# Altium PCB communicationboard.PcbDoc (continued)
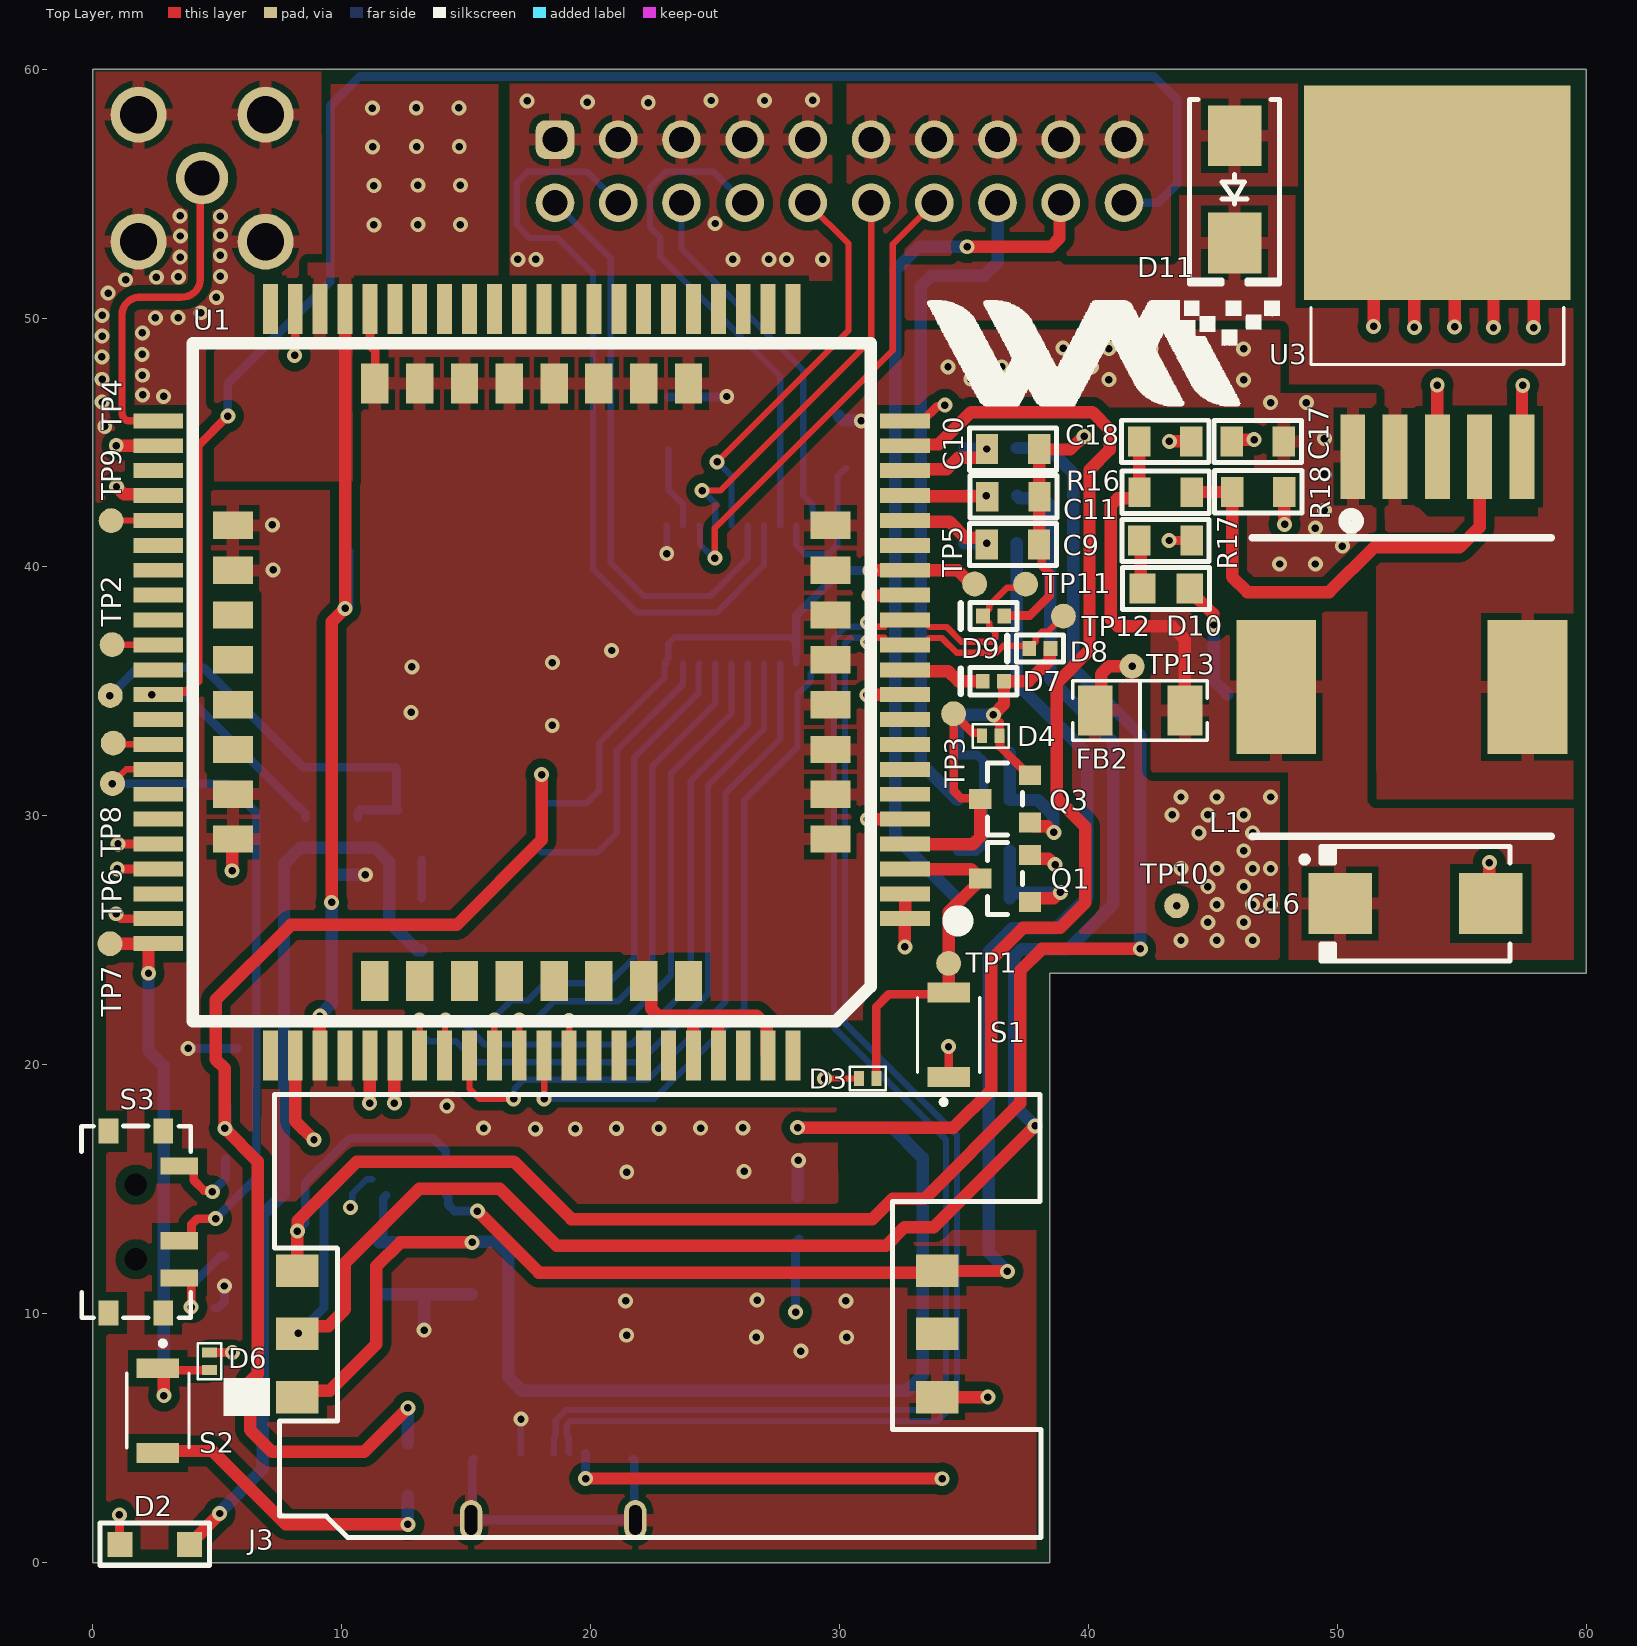
[diagram p0: Top Layer view]
## Footprints (in the part's own frame and the unit in brackets; to place one, negate y for a bottom-side part, rotate by r counter-clockwise, add the part's x,y. Pads: shape width x height; smd on the part's side, far side on the other; paste and mask are expansions set on the pad)
12-21SURC/S530-A3/TR8 [mm]
  rect 1x1 smd: 1(-1.4,0) 2(1.4,0)
  silkscreen extent -2.2,-0.85 2.2,0.85, body extent -1.63,-0.9 1.63,0, height 1.66
A7600E [mm]
  rect 2x0.6 smd: 1(-15,9.5) 2(-15,8.5) 3(-15,7.5) 4(-15,6.5) 5(-15,5.5) 6(-15,4.5) 7(-15,3.5) 8(-15,2.5) 9(-15,1.5) 10(-15,0.5) 11(-15,-0.5) 12(-15,-1.5) 13(-15,-2.5) 14(-15,-3.5) 15(-15,-4.5) 16(-15,-5.5) 17(-15,-6.5) 18(-15,-7.5) 19(-15,-8.5) 20(-15,-9.5) 41(15,-9.5) 42(15,-8.5) 43(15,-7.5) 44(15,-6.5) 45(15,-5.5) 46(15,-4.5) 47(15,-3.5) 48(15,-2.5) 49(15,-1.5) 50(15,-0.5) 51(15,0.5) 52(15,1.5) 53(15,2.5) 54(15,3.5) 55(15,4.5) 56(15,5.5) 57(15,6.5) 58(15,7.5) 59(15,8.5) 60(15,9.5) 81(-15,-10.5) 82(15,-10.5) 85(15,10.5)
  rect 0.6x2 smd: 21(-9.5,-15) 22(-8.5,-15) 23(-7.5,-15) 24(-6.5,-15) 25(-5.5,-15) 26(-4.5,-15) 27(-3.5,-15) 28(-2.5,-15) 29(-1.5,-15) 30(-0.5,-15) 31(0.5,-15) 32(1.5,-15) 33(2.5,-15) 34(3.5,-15) 35(4.5,-15) 36(5.5,-15) 37(6.5,-15) 38(7.5,-15) 39(8.5,-15) 40(9.5,-15) 61(9.5,15) 62(8.5,15) 63(7.5,15) 64(6.5,15) 65(5.5,15) 66(4.5,15) 67(3.5,15) 68(2.5,15) 69(1.5,15) 70(0.5,15) 71(-0.5,15) 72(-1.5,15) 73(-2.5,15) 74(-3.5,15) 75(-4.5,15) 76(-5.5,15) 77(-6.5,15) 78(-7.5,15) 79(-8.5,15) 80(-9.5,15) 83(10.5,-15) 84(-10.5,-15) 86(-10.5,15) 87(10.5,15)
  rect 1.6x1.1 smd: 88(-12,6.3) 89(-12,4.5) 90(-12,2.7) 91(-12,0.9) 92(-12,-0.9) 93(-12,-2.7) 94(-12,-4.5) 95(-12,-6.3) 104(12,-6.3) 105(12,-4.5) 106(12,-2.7) 107(12,-0.9) 108(12,0.9) 109(12,2.7) 110(12,4.5) 111(12,6.3)
  rect 1.1x1.6 smd: 96(-6.3,-12) 97(-4.5,-12) 98(-2.7,-12) 99(-0.9,-12) 100(0.9,-12) 101(2.7,-12) 102(4.5,-12) 103(6.3,-12) 112(6.3,12) 113(4.5,12) 114(2.7,12) 115(0.9,12) 116(-0.9,12) 117(-2.7,12) 118(-4.5,12) 119(-6.3,12)
  silkscreen extent -17.24,-13.62 13.62,13.62, body extent -15,-15 15,15, height 3.1
C0805 [mm]
  rect 0.9x1.2 smd: 1(-1.05,0) 2(1.05,0)
  silkscreen extent -1.75,-0.85 1.75,0.85, body extent -1,-0.65 1,0.66, height 0.74
C70710M0065122A [mm]
  rect 1.7x1.3 smd: C1(-12.838,-2.54) C2(-12.838,0) C3(-12.838,2.54) C5(12.863,-2.54) C6(12.863,0) C7(12.863,2.54)
  silkscreen extent -15.81,-8.18 17.04,9.61, body extent -13.52,-7.9 16.79,9.35, height 2.54
"CAP POL 2917_7343" [mm] "Molded Capacitor, 2-Leads, Body 7.30x4.30mm, IPC Medium Density"
  rect 2.55x2.45 smd: 1(-3.025,0) 2(3.025,0)
  silkscreen extent -4.57,-2.3 3.8,2.3, body extent -3.65,-2.15 3.65,2.15, height 4.1
CDRH127/LDNP-101MC [mm]
  rect 3.2x5.4 smd: 1(-5.05,0) 2(5.05,0)
  silkscreen extent -6,-6 6,6, body extent -6,-6 6,6, height 5.92
"DO214AA SMB" [mm] "Molded Diode, 2-Leads, Body 4.31x3.62mm, IPC Medium Density"
  rect 2.45x2.15 smd: 1(-2.15,0) 2(2.15,0)
  silkscreen extent -3.6,-1.8 3.8,1.8, body extent -2.6,-1.8 2.6,1.8, height 2.4
ESD73011N [mm]
  rect 0.55x0.6 smd: 1(0,0) 2(0.85,0)
  silkscreen extent -0.89,-0.55 1.37,0.55, body extent -0.38,-0.41 1.23,0.41, height 0.45
"FCI USB 10118193-0001LF" [mm] "USB 2.0 Type B Micro"
  oval 0.4x1.35 smd: 1(1.3,-2.625) 2(0.65,-2.625) 3(0,-2.625) 4(-0.65,-2.625) 5(-1.3,-2.625)
  oval 0.9x1.6 hole 0.5 slot 1.2 at 90 deg: S(-3.3,0.05) S(3.3,0.05)
  rrect50% 1.6x1.4 smd: S(-3.2,-2.4) S(3.2,-2.4)
  rect 1.9x1.8 smd: S(-1.2,0.05) S(1.2,0.05)
  silkscreen extent -3.7,-2.8 3.7,2.8, body extent -3.93,-2.9 3.93,2.76, height 2.78
"Female Header 10x2" [mm]
  rrect50% 1.55x1.55 hole 1.016: 1(-1.27,11.43)
  round 1.55 hole 1.016: 2(1.27,11.43) 3(-1.27,8.89) 4(1.27,8.89) 5(-1.27,6.35) 6(1.27,6.35) 7(-1.27,3.81) 8(1.27,3.81) 9(-1.27,1.27) 10(1.27,1.27) 11(-1.27,-1.27) 12(1.27,-1.27) 13(-1.27,-3.81) 14(1.27,-3.81) 15(-1.27,-6.35) 16(1.27,-6.35) 17(-1.27,-8.89) 18(1.27,-8.89) 19(-1.27,-11.43) 20(1.27,-11.43)
  silkscreen extent -2.9,-12.7 2.54,12.7, body extent -2.5,-12.95 2.5,12.95, height 8.5
"FER 0805_2012" [mm] "Chip Ferrite, 2-Leads, Body 2.00x1.20mm, IPC Medium Density"
  rect 1.3x1.4 smd: 1(-0.8,0) 2(0.8,0)
  silkscreen extent -1.7,-0.9 1.7,0.9, body extent -1,-0.64 1,0.64, height 1.26
"FER 1206_3216" [mm] "Chip Ferrite, 2-Leads, Body 3.20x1.60mm, IPC Medium Density"
  rect 1.4x2 smd: 1(-1.8,0) 2(1.8,0)
  silkscreen extent -2.7,-1.2 2.7,1.2, body extent -1.65,-0.85 1.65,0.85, height 1.3
LINX_CONSMA002-G [mm]
  round 2.1 hole 1.4: 1(0,0)
  round 2.25 hole 1.5: S1(-2.55,2.55) S2(-2.55,-2.55) S3(2.55,-2.55) S4(2.55,2.55)
  silkscreen extent -3.5,-3.5 3.5,3.5, body extent -3.5,-11.69 3.5,3.51, height 10.05
"ON SEMI SOT-23-3" [mm] "SOT23, 3-Leads, Body 2.90x2.40mm, Pitch 0.95mm, IPC Medium Density"
  rect 0.9x0.8 smd: 1(-1,0.95) 2(-1,-0.95) 3(1,0)
  silkscreen extent -0.7,-1.45 0.7,1.45, body extent -1.16,-1.45 1.16,1.45, height 1
ORH-B35A [mm]
  rect 1.05x1.2 smd: 1(-0.95,0) 2(0.95,0)
  silkscreen extent -1.75,-0.85 1.75,0.85, body extent -1,-0.63 1,0.62, height 1.11
PESDHC2FD4V5BH [mm]
  rect 0.4x0.6 smd: 1(-0.35,0) 2(0.35,0)
  silkscreen extent -0.72,-0.47 0.72,0.48, body extent -0.65,-0.41 0.65,0.41, height 0.5
R0805 [mm]
  rect 0.9x1.2 smd: 1(0,0) 2(2.1,0)
  silkscreen extent -0.7,-0.85 2.8,0.85, body extent 0.05,-0.62 2.05,0.63, height 0.56
SOT323-5L_STM-M [mm]
  rect 1.079x0.35 smd: 1(-1.213,0.65) 2(-1.213,0) 3(-1.213,-0.65) 4(1.213,-0.65) 5(1.213,0.65)
  silkscreen extent -1.83,-1.23 0.8,1.58, body extent -1.2,-1.1 1.2,1.1, height 1.1
SSSS811101 [mm]
  rect 0.7x1.5 smd: 1(-2.25,1.75) 2(0.75,1.75) 3(2.25,1.75)
  rect 1x0.8 smd: 4(-3.65,1.1) 5(-3.65,-1.1) 6(3.65,1.1) 7(3.65,-1.1)
  round 0.3 hole 0.9: 8(-1.5,0) 9(1.5,0)
  silkscreen extent -3.86,-2.18 3.85,2.21, body extent -3.85,-2.79 3.85,2.21, height 1.41
SW_B3U-1000P [mm]
  rect 0.8x1.7 smd: 1(-1.7,0) 2(1.7,0)
  silkscreen extent -2.8,-1.25 1.5,1.25, body extent -2,-1.25 2,1.25, height 1.76
TESTPOINT [mm]
  round 1 smd: 1(0,0)
TSSOP20 [mm]
  rect 1.05x0.45 smd: 1(-2.775,2.925) 2(-2.775,2.275) 3(-2.775,1.625) 4(-2.775,0.975) 5(-2.775,0.325) 6(-2.775,-0.325) 7(-2.775,-0.975) 8(-2.775,-1.625) 9(-2.775,-2.275) 10(-2.775,-2.925) 11(2.775,-2.925) 12(2.775,-2.275) 13(2.775,-1.625) 14(2.775,-0.975) 15(2.775,-0.325) 16(2.775,0.325) 17(2.775,0.975) 18(2.775,1.625) 19(2.775,2.275) 20(2.775,2.925)
  silkscreen extent -4.32,-3.25 1.87,3.31, body extent -3.2,-3.25 3.2,3.25, height 1.06
VREG_LM2596S-ADJ/NOPB [mm]
  rect 3.4x1 smd paste-3 mask+0: 1(0,0) 2(0,-1.7) 3(0,-3.4) 4(0,-5.1) 5(0,-6.8)
  rect 8.6x10.7 smd paste-6 mask+0: 6(10.6,-3.4)
  silkscreen extent -2.84,-8.48 5.98,1.68, body extent -1.29,-8.39 14.38,1.61, height 4.8

## Part data
C1 C4 C5 C8 C9 C10 C11 C12 C13 C14 C17 C18: library part C0805
C2 C3 C6 C7 C15: library part TPSD107K010S0080, "CAP TANT 100UF 10% 10V 2917", Device Package="2917 (7343 Metric)", ESR (Equivalent Series Resistance)=80mOhm, Manufacturer="AVX Corporation", Manufacturer Size Code=D, Operating Temperature="-55°C ~ 125°C", Supplier Part Number 1=478-9137-1-ND, Tolerance=±10%, Voltage - Rated=10V, Capacitance=100µF, ComponentLink1Description=Datasheet, ComponentLink1URL=http://datasheets.avx.com/TPS.pdf, ComponentLink2Description="DigiKey Link", ComponentLink2URL=http://digikey.com/product-detail/en/avx-corporation/TPSD107K010S0080/478-9137-1-ND/4562002, Features="General Purpose", Height - Seated (Max)="0.122\" (3.10mm)", LastUpdated="9/2/2020 1:16:19 AM", Lifecycle Status=Active, Minimum Order=1, Mounting Type="Surface Mount", Package / Case="2917 (7343 Metric)", Packaging=TapeAndReel, Part Number=TPSD107K010S0080, Part Status=Active, PartId=1024, Price=0.47, Series=TPS, Size / Dimension="0.287\" L x 0.169\" W (7.30mm x 4.30mm)", Supplier 1=DigiKey, Type=Molded
C16: library part TPSE337M006R0100, "CAP TANT 330UF 20% 6.3V 2917", Device Package="2917 (7343 Metric)", ESR (Equivalent Series Resistance)=100mOhm, Manufacturer="AVX Corporation", Manufacturer Size Code=E, Operating Temperature="-55°C ~ 125°C", Supplier Part Number 1=478-1804-1-ND, Tolerance=±20%, Voltage - Rated=6.3V, Capacitance=330µF, ComponentLink1Description=Datasheet, ComponentLink1URL=http://datasheets.avx.com/TPS.pdf, ComponentLink2Description="DigiKey Link", ComponentLink2URL=http://digikey.com/product-detail/en/avx-corporation/TPSE337M006R0100/478-1804-1-ND/564836, Features="General Purpose", Height - Seated (Max)="0.169\" (4.30mm)", LastUpdated="9/2/2020 1:16:19 AM", Lifecycle Status=Active, Minimum Order=1, Mounting Type="Surface Mount", Package / Case="2917 (7343 Metric)", Packaging=TapeAndReel, Part Number=TPSE337M006R0100, Part Status=Active, PartId=977, Price=2.85, Series=TPS, Size / Dimension="0.287\" L x 0.169\" W (7.30mm x 4.30mm)", Supplier 1=DigiKey, Type=Molded
CR1: "No Description Available", Built_By=EMA_UL_Team, Copyright="Copyright (C) 2018 Accelerated Designs. All rights reserved", Manufacturer_Part_Number=ESDA6V1W5, RefDes=RefDes, SourceLibrary=Updates_to_database_2020-11-02, Type=DEV, Vendor=STMicroelectronics
D1 D3 D4 D5 D6: "http://www.prisemi.com/UploadImage/files/ESD(TVS%20Array%EF%BC%89/High%20capacitance/PESDHC2FD4V5BH.pdf", Breakdown Voltage=13.3V, Case/Package=SMA, Clamping Voltage=19.9V, Current=201A, Leakage Current=1uA, Manufacturer="Vishay Semiconductors", Manufacturer Part Number 1=SMAJ12A-E3/61, Max Breakdown Voltage=14.7V, Max Forward Surge Current (Ifsm)=40A, Max Operating Temperature=150°C, Max Power Dissipation=400W, Max Surge Current=20.1A, Min Operating Temperature=-55°C, Operating Supply Voltage=12V, Package Quantity=1800, Supplier Part Number 1=SMAJ12A-E3/61GICT-ND, Test Current=1mA, ComponentLink1Description=https://datasheet.ciiva.com/4247/2smaj50a-4247753.pdf?src-supplier=Arrow, ComponentLink1URL=https://datasheet.ciiva.com/4247/2smaj50a-4247753.pdf?src-supplier=Arrow, ComponentLink2Description=https://datasheet.ciiva.com/26912/getdatasheetpartid-162303-26912431.pdf?src-supplier=Verical, ComponentLink2URL=https://datasheet.ciiva.com/26912/getdatasheetpartid-162303-26912431.pdf?src-supplier=Verical, ComponentLink3Description=https://datasheet.ciiva.com/3021/88390-3021379.pdf?src-supplier=Avnet, ComponentLink3URL=https://datasheet.ciiva.com/3021/88390-3021379.pdf?src-supplier=Avnet, ComponentLink4Description=https://datasheet.ciiva.com/16199/smaj50a-16199669.pdf?src-supplier=Future+Electronics, ComponentLink4URL=https://datasheet.ciiva.com/16199/smaj50a-16199669.pdf?src-supplier=Future+Electronics, ComponentLink5Description=https://datasheet.ciiva.com/28409/548547-28409622.pdf?src-supplier=Element14, ComponentLink5URL=https://datasheet.ciiva.com/28409/548547-28409622.pdf?src-supplier=Element14, ComponentLink6Description=https://datasheet.ciiva.com/26322/548547-26322536.pdf?src-supplier=Element14, ComponentLink6URL=https://datasheet.ciiva.com/26322/548547-26322536.pdf?src-supplier=Element14, Contact Plating=Tin,Matte, Direction=Unidirectional, Element Configuration=Single, Height=2.09mm, Lead Free="Lead Free", Length=4.5mm, Max Reverse Leakage Current=1uA, Min Breakdown Voltage=13.3V, Number of Channels=1, Number of Elements=1, Number of Pins=2, Packaging="Tape and Reel", Peak Pulse Current=20.1A, Peak Pulse Power=400W, Polarity=Unidirectional, Power Dissipation=400W, Pricing 1="1 = 0.42000, 10 = 0.31500, 25 = 0.28400, 100 = 0.19610, 250 = 0.16512, 500 = 0.13416 (USD)", Radiation Hardening=No, REACH SVHC=Unknown, Reverse Breakdown Voltage=13.3V, Reverse Standoff Voltage=12V, RoHS=Yes, Stock 1=351428, Supplier 1=Digi-Key, Termination=SMD/SMT, Voltage=12V, Voltage Rating (DC)=12V, Width=2.79mm
D2: library part 12-21SURC/S530-A3/TR8, "Red 624nm Right-Angle 1206 Light Emitting Diodes (LED) RoHS"
D10: library part ORH-B35A, "Blue 460~470nm 0805 Light Emitting Diodes (LED) RoHS"
D11: "DIODE SCHOTTKY 60V 3A SMB", Current - Average Rectified (Io)=3A, Current - Reverse Leakage @ Vr="30µA @ 60V", Manufacturer="ON Semiconductor", Operating Temperature - Junction="-65°C ~ 175°C", Package / Case="DO-214AA, SMB", Supplier Device Package=SMB, Supplier Part Number 1=MBRS360BT3GOSCT-ND, Voltage - DC Reverse (Vr) (Max)=60V, Voltage - Forward (Vf) (Max) @ If="630mV @ 3A", ComponentLink1Description=Datasheet, ComponentLink1URL=https://www.onsemi.com/pub/Collateral/MBRS360T3-D.PDF, ComponentLink2Description="DigiKey Link", ComponentLink2URL=http://digikey.com/product-detail/en/on-semiconductor/MBRS360BT3G/MBRS360BT3GOSCT-ND/2623453, Diode Type=Schottky, LastUpdated="9/2/2020 1:18:52 AM", Lifecycle Status=Active, Minimum Order=1, Mounting Type="Surface Mount", Packaging=TapeAndReel, Part Number=MBRS360BT3G, Part Status=Active, PartId=1547, Price=0.13, Series=-, Speed="Fast Recovery =< 500ns, > 200mA (Io)", Supplier 1=DigiKey
FB1: library part BLM21PG300SN1D, "FERRITE BEAD 30 OHM 0805 1LN", Current Rating (Max)=4A, DC Resistance (DCR) (Max)=14mOhm, Device Package="0805 (2012 Metric)", Manufacturer="Murata Electronics", Operating Temperature="-55°C ~ 125°C", Supplier Part Number 1=490-1052-1-ND, ComponentLink1Description=Datasheet, ComponentLink1URL=https://www.murata.com/en-us/products/en-us/products/productdata/8796738977822/ENFA0005.pdf, ComponentLink2Description="DigiKey Link", ComponentLink2URL=http://digikey.com/product-detail/en/murata-electronics/BLM21PG300SN1D/490-1052-1-ND/584499, Filter Type="Power Line", Height (Max)="0.041\" (1.05mm)", Impedance @ Frequency="30 Ohms @ 100MHz", LastUpdated="9/2/2020 1:18:22 AM", Lifecycle Status=Active, Minimum Order=1, Mounting Type="Surface Mount", Number of Lines=1, Package / Case="0805 (2012 Metric)", Packaging=TapeAndReel, Part Number=BLM21PG300SN1D, Part Status=Active, PartId=1376, Price=0.03, Series="EMIFIL®, BLM21", Size / Dimension="0.079\" L x 0.049\" W (2.00mm x 1.25mm)", Supplier 1=DigiKey
FB2: "270OHM DCR MAX 3) A RATED CURREN", Current Rating (Max)=3A, DC Resistance (DCR) (Max)=16mOhm, Device Package="1206 (3216 Metric)", Manufacturer="Murata Electronics", Operating Temperature="-55°C ~ 150°C", Ratings=AEC-Q200, Supplier Part Number 1=490-18085-1-ND, ComponentLink1Description=Datasheet, ComponentLink1URL=https://www.murata.com/en-global/products/productdata/8800169623582/QNFA9138.pdf, ComponentLink2Description="DigiKey Link", ComponentLink2URL=http://digikey.com/product-detail/en/murata-electronics/BLM31KN271BH1L/490-18085-1-ND/9559597, Filter Type="Power Line", Height (Max)="0.071\" (1.80mm)", LastUpdated="9/2/2020 1:18:24 AM", Lifecycle Status=Active, Minimum Order=1, Mounting Type="Surface Mount", Number of Lines=1, Package / Case="1206 (3216 Metric)", Packaging=TapeAndReel, Part Number=BLM31KN271BH1L, Part Status=Active, PartId=1581, Price=0.10, Series="EMIFIL®, BLM31", Size / Dimension="0.126\" L x 0.063\" W (3.20mm x 1.60mm)", Supplier 1=DigiKey
J1: "CONN RCPT USB2.0 MICRO B SMD R/A", Current Rating (Amps)="1.8A per Contact", Manufacturer="Amphenol ICC (FCI)", Operating Temperature="-30°C ~ 80°C", Supplier Part Number 1=609-4616-2-ND, Voltage - Rated=100VAC, ComponentLink1Description=Datasheet, ComponentLink1URL=https://cdn.amphenol-icc.com/media/wysiwyg/files/documentation/datasheet/inputoutput/io_usb_micro.pdf, ComponentLink2Description="DigiKey Link", ComponentLink2URL=//digikey.com/product-detail/en/amphenol-icc-fci/10118193-0001LF/609-4616-2-ND/2785388, Connector Type="USB - micro B", Features="Solder Retention", Gender=Receptacle, LastUpdated="12/9/2019 8:51:28 PM", Lifecycle Status=0, Mating Cycles=10000, Minimum Order=1, Mounting Feature=Horizontal, Mounting Type="Surface Mount, Right Angle; Through Hole", Number of Contacts=5, Number of Ports=1, Packaging=TapeAndReel, Part Number=10118193-0001LF, Part Status=Active, Price=0.21, Series=-, Shielding=Shielded, Specifications="USB 2.0", Supplier 1=DigiKey, Termination=Solder
J2: "SMA Female Right-Angle Through-Hole Mount Connector, Gold", Package=None, Availability=Warning, Check_prices=https://www.snapeda.com/parts/CONSMA002-G/Linx%20Technologies%20Inc./view-part/546281/?ref=eda, MF="Linx Technologies", MP=CONSMA002-G, Price=None, Purchase-URL=https://pricing.snapeda.com/search/part/CONSMA002-G/?ref=eda, SnapEDA_Link=https://www.snapeda.com/parts/CONSMA002-G/Linx%20Technologies%20Inc./view-part/546281/?ref=snap
J3: "Connector", Manufacturer_Name="Amphenol MCP", Manufacturer_Part_Number="C707 10M006 512 2A", Mouser Part Number=523-C70710M0065122A, Datasheet Link=https://static6.arrow.com/aropdfconversion/2b0439812a4dc18aefbbc0c69113f67e39d5f040/cardrsiml.pdf, Height=2.5mm, Mouser Price/Stock=https://www.mouser.co.uk/ProductDetail/Amphenol-MCP/C707-10M006-512-2A/?qs=ouNmo%2FJCrDCjoLF7FE16%252Bg%3D%3D
J4: library part "Female Header 10x2", "Header, 2.54mm, 10x2, Tin, TH", Color=Black, Current_A=3, Manufacturer="Sullins Connector Solutions", Supplier Part Number 1=S2012E-10-ND, Cert_UL=Y, ClassName=Header, ComponentLink1Description="Datasheet URL", ComponentLink1URL=https://drawings-pdf.s3.amazonaws.com/C10419.pdf, CompType=Header, ContactFinish=Tin, Gender=Male, Green_EU RoHS=Incomplete, Green_EU RoHS-2=Incomplete, Green_Lifecycle="Not Set", Green_REACh=Incomplete, LatestRevisionDate=2017-05-05, MountType=TH, Orientation=Vertical, PackageReference="Header, 10x2, 2.54mm, TH", PartNumber=PEC10DAAN, PinCount=20, Pitch_mm=2.54, Publisher="Texas Instruments", RoHS=Y, Row_Count=2, RowSpacing_mm=2.54, Shrouded=N, Supplier 1=Digi-Key, SymbolCreator=a0412235, SymbolVersion=2013-09-12, System=Connector
L1: library part CDRH127/LDNP-101MC, "Fixed Inductors 100uH 2.1A", Current - Saturation=1A, Current Rating (Amps)=800mA, DC Resistance (DCR)=433mOhm, Device Package=Nonstandard, Frequency - Self Resonant=6.3MHz, Inductance=100µH, Inductance Frequency - Test=100kHz, Manufacturer="Würth Elektronik", Operating Temperature="-40°C ~ 125°C", Part Number=74404064101, Supplier Device Package=6045, Supplier Part Number 1=732-5550-1-ND, Tolerance=±20%, ComponentLink1Description=Datasheet, ComponentLink1URL=https://katalog.we-online.de/pbs/datasheet/74404064101.pdf, ComponentLink2Description="DigiKey Link", ComponentLink2URL=http://digikey.com/product-detail/en/w-rth-elektronik/74404064101/732-5550-1-ND/4865443, Height - Seated (Max)="0.177\" (4.50mm)", LastUpdated="9/2/2020 1:30:29 AM", Lifecycle Status=Active, Material - Core=Ferrite, Minimum Order=1, Mounting Type="Surface Mount", Package / Case=Nonstandard, Packaging=TapeAndReel, Part Status=Active, PartId=3711, Price=0.69, Series=WE-LQS, Shielding=Shielded, Size / Dimension="0.236\" L x 0.236\" W (6.00mm x 6.00mm)", Supplier 1=DigiKey, Type=Wirewound
Q1 Q2 Q3: "TRANS NPN 40V 0.2A SOT23", Current - Collector (Ic) (Max)=200mA, DC Current Gain (hFE) (Min) @ Ic, Vce="100 @ 10mA, 1V", Frequency - Transition=300MHz, Manufacturer="ON Semiconductor", Operating Temperature="-55°C ~ 150°C (TJ)", Package / Case="TO-236-3, SC-59, SOT-23-3", Power - Max=300mW, Supplier Device Package="SOT-23-3 (TO-236)", Supplier Part Number 1=MMBT3904LT3GOSCT-ND, Voltage - Collector Emitter Breakdown (Max)=40V, ComponentLink1Description=Datasheet, ComponentLink1URL=http://www.onsemi.com/pub/Collateral/MMBT3904LT1-D.PDF, ComponentLink2Description="DigiKey Link", ComponentLink2URL=http://digikey.com/product-detail/en/on-semiconductor/MMBT3904LT3G/MMBT3904LT3GOSCT-ND/1139814, LastUpdated="9/2/2020 1:30:08 AM", Lifecycle Status=Active, Minimum Order=1, Mounting Type="Surface Mount", Packaging=TapeAndReel, Part Number=MMBT3904LT3G, Part Status=Active, PartId=159, Price=0.02, Supplier 1=DigiKey, Transistor Type=NPN, Vce Saturation (Max) @ Ib, Ic="300mV @ 5mA, 50mA"
R1 R2 R3 R4 R5 R6 R7 R8 R9 R10 R11 R12 R13 R14 R15 R16 R17 R18: library part R0805
S1 S2: "Tactile Switch SPST-NO Top Actuated Surface Mount", Package=None, Digi-Key_Part_Number=SW1020CT-ND, Digi-Key_Purchase_URL=https://www.digikey.com/product-detail/en/omron-electronics-inc-emc-div/B3U-1000P/SW1020CT-ND/1534357?utm_source=snapeda&utm_medium=aggregator&utm_campaign=symbol, MF=Omron, MP=B3U-1000P, SnapEDA_Link=https://www.snapeda.com/parts/B3U-1000P/Omron%20Electronics%20Inc-EMC%20Div/view-part/104326/?ref=snap
S3: "SPDT 300mA @ 5VDC 5V On-On SMD-7PIN Toggle Switches RoHS", Manufacturer_Part_Number=1825232-1, Built_By=EMA_Cory, Copyright="Copyright (C) 2018 Accelerated Designs. All rights reserved", RefDes=RefDes, SourceLibrary="TE Connectivity_2020-01-22", Type=DEV, Vendor="TE Connectivity"
U1: "LTE Cat-4 Module", Package="Package Analog Devices", Availability=Unavailable, MF=Simcom, MP=SIM7600G, Price=None, SnapEDA_Link=https://www.snapeda.com/parts/SIM7600G/SIMcom%20Wireless%20solutions%20Co.%2CLtd/view-part/4001333/?ref=snap
U2: "Voltage Level Translator Bidirectional 1 Circuit 8 Channel 100Mbps 20-VQFN _3.5x4.5_", Package="VQFN-20 Texas Instruments", Availability=Unavailable, MF="Texas Instruments", MP=TXB0108RGYR, Price=None, SnapEDA_Link=https://www.snapeda.com/parts/TXB0108RGYR/Texas%20Instruments/view-part/383279/?ref=snap
U3: "No Description Available", Manufacturer_Part_Number=LM2596DSADJG, Built_By=EMA_Jessica, Copyright="Copyright (C) 2016 Accelerated Designs. All rights reserved", RefDes=RefDes, SourceLibrary=ON_Semiconductor_2018-03-21, Type=DEV, Vendor="ON Semiconductor"

## Via types
v1: diameter 0.6, hole 0.3, Top Layer to Bottom Layer, tented both sides, 215 vias
v2: diameter 0.6, hole 0.3, Top Layer to Bottom Layer, 5 vias

## Nets (pads, with @x,y where several pads share a name; then routed paths per layer and width w, separated by ;. In a path a pad name is that pad's centre, name@x,y a point inside that pad or via, vN(x,y) a via of type N, cw(c..) or ccw(c..) an arc to the next point about the centre after c; other vN are vias at no path point)
*PWRKEY: D3.2 Q1.3 S1.2 TP1.1 U1.3 | length 14.4
  Top Layer w0.35: D3.2 31.48,22.325 31.985,22.83 S1.2@34.385,22.83
  Top Layer w0.5: U1.3 32.64,27.865 35.275,27.865 Q1.3 35.605,27.485 35.455,27.335 35.455,27.215 34.385,26.145 TP1.1 S1.2@34.385,22.83
*RESET: D4.2 Q3.3 TP3.1 U1.4 | length 10.4
  Top Layer w0.35: Q3.3@35.655,30.3 35.43,30.525 35.43,30.655 35.38,30.705 34.885,30.705 34.585,31.005 34.585,33.981 TP3.1 35.345,33.345 35.7,33.345 35.725,33.32 D4.2
  Top Layer w0.5: U1.4 35.362,28.87 35.655,29.163 Q3.3@35.655,30.3
A7600E-CTS: U1.67 U2.5 | length 26.6
  Top Layer w0.254: U1.67 14.152,20.387 14.152,21.787 v1(14.17,21.805)
  Bottom Layer w0.254: v1(14.17,21.805) 14.236,21.739 14.816,21.739 15.74,20.815 21.645,20.815 24.025,23.195 24.025,31.415 26.31,33.7 26.31,36.115 U2.5
A7600E-DCD: U1.70 U2.7 | length 20.9
  Top Layer w0.254: U1.70 v1(17.135,21.805)
  Bottom Layer w0.254: v1(17.135,21.805) 17.79,21.805 18.542,22.557 21.102,22.557 22.475,23.93 22.475,31.99 25.015,34.53 U2.7
A7600E-DTR: U1.72 U2.6 | length 19.8
  Top Layer w0.254: U1.72 19.137,20.372 19.137,21.777 v1(19.14,21.78)
  Bottom Layer w0.254: v1(19.14,21.78) 19.195,21.725 21.365,21.725 23.23,23.59 23.23,31.695 25.665,34.13 U2.6
A7600E-RI: U1.69 U2.8 | length 21
  Top Layer w0.254: U1.69 16.135,21.805 v1(16.14,21.81)
  Bottom Layer w0.254: v1@16.118,21.832 16.118,21.882 16.358,22.122 16.358,22.127 16.813,22.582 17.472,22.582 18.165,23.275 20.721,23.275 21.75,24.304 21.75,32.345 24.335,34.93 24.335,36.09 U2.8
A7600E-RTS: U1.66 U2.4 | length 29.3
  Top Layer w0.254: v1(13.13,21.805) 13.132,21.803 13.132,20.372 U1.66
  Bottom Layer w0.254: v1(13.13,21.805) 13.148,21.787 13.148,21.307 13.51,20.945 14.585,20.945 15.425,20.105 21.965,20.105 24.72,22.86 24.72,31.235 26.965,33.48 U2.4
A7600E-RXD: U1.68 U2.3 | length 28.1
  Top Layer w0.254: U1.68 15.135,19.04 15.54,18.635 v1(16.905,18.635)
  Bottom Layer w0.254: v1(16.905,18.635) 16.948,18.678 16.948,19.048 17.305,19.405 22.29,19.405 25.42,22.535 25.42,30.91 27.615,33.105 U2.3
A7600E-TXD: U1.71 U2.1 | length 26.3
  Top Layer w0.254: v1(18.135,18.628) U1.71
  Bottom Layer w0.254: v1(18.135,18.628) 18.147,18.64 22.56,18.64 26.175,22.255 26.175,30.63 28.315,32.77 28.315,34.885 28.842,35.412 28.842,35.722 28.915,35.795 U2.1
ESD_CLK: CR1.4 J3.C3 R14.2 | length 77.5
  Top Layer w0.5: J3.C3 8.22,11.732 v1(8.22,13.32) 8.239,13.339 8.239,13.739 10.615,16.115 16.92,16.115 19.23,13.805 31.325,13.805 32.135,14.615 33.41,14.615 37.255,18.46 37.255,23.78 38.13,24.655 v1(42.085,24.655)
  Bottom Layer w0.35: v1(8.22,13.32) 8.22,13.33 8.54,13.65 8.54,15.265 10.325,17.05 13.68,17.05 14.18,16.55 14.18,16.055 CR1.4
  Bottom Layer w0.5: R14.2 38.385,44.78 39.4,43.765 39.4,35.925 42.085,33.24 v1(42.085,24.655)
ESD_IO: CR1.5 J3.C7 R15.2 | length 57.5
  Top Layer w0.5: v1(15.45,14.125) 17.925,11.65 33.843,11.65 J3.C7 33.935,11.718 36.732,11.718 v1(36.745,11.705)
  Bottom Layer w0.35: CR1.5 14.28,14.755 14.28,14.375 14.53,14.125 v1(15.45,14.125)
  Bottom Layer w0.5: v1(36.745,11.705) 36,12.45 36,24.55 36.945,25.495 38.716,25.495 39.958,26.737 39.958,32.492 37.12,35.33 R15.2
ESD_RST: CR1.3 J3.C2 R13.2 | length 75.6
  Top Layer w0.5: v1(8.255,9.21) 8.551,9.506 9.466,9.506 10.135,10.175 10.135,12.04 13.12,15.025 16.35,15.025 18.645,12.73 31.865,12.73 32.615,13.48 33.79,13.48 v1(37.86,17.55)
  Bottom Layer w0.35: v1(8.255,9.21) 9.295,10.25 9.295,14.72 10.63,16.055 CR1.3
  Bottom Layer w0.5: R13.2 37.235,42.77 38.167,42.77 38.46,42.477 38.46,35.505 40.995,32.97 40.995,26.44 39.2,24.645 37.308,24.645 37.015,24.352 37.015,18.395 v1(37.86,17.55)
ESD_VCC: C12.2 C13.2 C14.2 CR1.1 J3.C1 U1.20 | length 103.1
  Top Layer w0.5: J3.C1 8.481,6.909 9.524,6.909 11.395,8.78 11.395,11.91 12.356,12.871 v1(15.239,12.871) ; v1(28.32,17.48) 28.325,17.475 34.58,17.475 36.1,18.995 36.1,24.24 37.365,25.505 38.862,25.505 39.866,26.509 39.866,29.575 38.734,30.707 38.734,35.347 40.045,36.658 40.045,43.899 40.855,44.709 40.855,45.53 40.16,46.225 35.285,46.225 33.98,44.92 33.03,44.92 32.98,44.87 U1.20
  Bottom Layer w0.35: C12.2 11.514,12.88 11.67,13.036 11.67,14.636 CR1.1
  Bottom Layer w0.5: C12.2@11.514,12.88 C13.2 C14.2 v1(15.239,12.871) 15.278,12.909 15.286,12.9 16.185,12.9 16.69,12.395 16.69,7.45 17.24,6.9 32.72,6.9 33.342,7.522 33.342,16.263 32.125,17.48 v1(28.32,17.48)
ESP32-LTE-CTS: J4.2 U2.16 | length 23.4
  Bottom Layer w0.254: J4.2 20.805,52.395 20.805,40.17 22.14,38.835 24.805,38.835 26.315,40.345 U2.16
ESP32-LTE-DCD: J4.12 U2.14 | length 16.4
  Top Layer w0.254: v1(24.485,43.07) 25.215,43.07 31.27,49.125 J4.12
  Bottom Layer w0.254: v1(24.485,43.07) 24.511,43.07 25.015,42.566 U2.14
ESP32-LTE-DTR: J4.10 U2.15 | length 16.1
  Top Layer w0.254: v1(25.085,44.225) 30.365,49.505 30.365,52.98 28.73,54.615 J4.10
  Bottom Layer w0.254: v1(25.085,44.225) 25.665,43.645 U2.15
ESP32-LTE-RI: J4.14 U2.13 | length 19.5
  Top Layer w0.254: v1(24.995,40.36) 24.995,41.56 32.145,48.71 32.145,52.965 J4.14
  Bottom Layer w0.254: U2.13 24.394,41.641 24.394,40.918 24.952,40.36 v1(24.995,40.36)
ESP32-LTE-RTS: J4.4 U2.17 | length 32.2
  Bottom Layer w0.254: J4.4 19.858,55.882 17.472,55.882 17.03,55.44 17.03,53.745 17.56,53.215 18.68,53.215 20.095,51.8 20.095,39.935 21.86,38.17 25.065,38.17 26.965,40.07 U2.17
ESP32-LTE-RXD: J4.8 U2.18 | length 20.3
  Bottom Layer w0.254: J4.8 24.938,55.882 23.012,55.882 22.385,55.255 22.385,53.66 22.805,53.24 22.805,52.47 27.615,47.66 U2.18
ESP32-LTE-TXD: J4.6 U2.20 | length 15.1
  Bottom Layer w0.254: J4.6 23.65,52.805 28.545,47.91 28.545,42.876 28.915,42.506 U2.20
FLIGHTMODE: D5.2 S3.2 TP6.1 U1.54 | length 27.5
  Top Layer w0.254: v1(0.78,31.3) 0.79,31.3 TP6.1 0.795,31.315 1.35,31.87 U1.54
  Top Layer w0.35: S3.2 3.794,12.935 3.969,13.11 3.969,13.59 4.199,13.82 v2(4.935,13.82)
  Bottom Layer w0.35: v1(0.78,31.3) 0.785,31.295 5.4,31.295 6.565,30.13 6.565,15.45 v2(4.935,13.82)
GND: C1.1 C2.2 C3.2 C4.1 C5.1 C6.2 C7.2 C8.1 C9.1 C10.2 C11.1 C12.1 C13.1 C14.1 C15.2 C16.2 C17.1 C18.1 CR1.2 D1.1 D3.1 D4.1 D5.1 D6.1 D7.2 D8.2 D9.2 D10.2 D11.1 J1.5 J1.S J2.S1 J2.S2 J2.S3 J2.S4 J3.C5 J4.11 J4.13 J4.15 J4.17 J4.19 Q1.2 Q2.2 Q3.2 R3.2 R4.1 R5.1 R7.2 R9.2 R11.1 R18.1 S1.1 TP10.1 U1.1 U1.2 U1.5 U1.10 U1.14 U1.37 U1.40 U1.41 U1.43 U1.57 U1.58 U1.60 U1.61 U1.64 U1.65 U1.77 U1.78 U1.80 U1.81 U1.88 U1.89 U1.90 U1.91 U1.92 U1.93 U1.94 U1.95 U1.96 U1.97 U1.98 U1.99 U1.100 U1.101 U1.102 U1.103 U1.104 U1.105 U1.110 U1.111 U1.118 U2.11 U3.3 U3.5 U3.6 | length 133.4
  Top Layer w0.254: v1(29.4,19.445) 29.402,19.447 30.778,19.447 D3.1
  Top Layer w0.35: v1(0.94,26.07) 1.14,25.87 U1.60 ; v1(0.985,27.87) 0.98,27.87 U1.58 ; v1(1.015,28.875) 1.02,28.87 U1.57 ; D6.1 5.605,8.44 v1(5.61,8.445) ; v1(8.11,48.5) 8.135,48.525 U1.40 ; U1.37 11.135,48.91 11.355,48.69 11.355,47.39 U1.103 ; U1.81 33.335,45.87 33.923,46.458 34.188,46.458 v1(34.236,46.506) ; v1(34.38,20.73) 34.385,20.725 S1.1@34.385,19.58 ; v1(36.184,34.061) 36.184,33.994 36.425,33.753 D4.1 36.45,33.195 36.45,32.79 37.605,31.635 Q3.2 ; D9.2 36.635,38.05 37.638,38.05 38.435,38.847 38.435,39.755 38.13,40.06 38.13,40.79 C9.1
  Top Layer w0.5: v1(0.945,44.875) 0.95,44.87 U1.41 ; v1(0.955,43.225) 1.26,42.92 2.585,42.92 U1.43 ; v1(5.597,27.796) 5.597,29.032 U1.111 ; U1.61 8.135,17.745 v1(8.89,16.99) ; v1(11.12,18.465) 11.135,18.48 U1.64 ; v1(12.12,18.46) 12.12,20.355 U1.65 ; U1.118 22.435,23.07 22.435,22.263 22.728,21.97 24.12,21.97 ; U1.77 24.12,20.385 24.12,21.97 ; U1.78 25.135,21.97 ; U1.80 27.085,20.42 27.085,21.569 26.684,21.97 25.135,21.97 ; v1(31.1,34.865) 31.105,34.87 U1.10 ; v1(31.125,29.865) 31.13,29.87 U1.5 ; v1(31.185,38.855) 32.62,38.855 U1.14 ; v1(32.63,24.735) 32.63,25.865 U1.1 U1.2 ; J3.C5 v1(35.96,6.65) ; v1(36.184,34.061) 36.61,34.487 D7.2 37.595,35.41 38.45,36.265 38.45,36.7 D8.2 ; Q1.2 37.805,28.285 38.398,28.285 38.638,28.045 v1(38.665,28.045) ; C9.1 38.025,40.915 38.025,42.81 C11.1 38.03,42.825 38.03,44.73 C10.2 38.21,44.735 38.225,44.72 39.268,44.72 39.798,45.25 v1(39.825,45.25) ; v1(43.25,45.045) C18.1 ; D10.2 44.07,39.06 45.016,38.114 45.016,37.689 v1(45.035,37.67) ; C17.1 45.832,45.117 v1(46.66,45.117) ; D11.1 46.03,57.325 46.075,57.28 D11.1@45.965,57.17 ; R18.1 47.875,41.72 v1(47.88,41.715) ; U3.6@49.815,51.47 53.38,55.035 U3.6 ; v1(51.455,49.67) U3.6@51.455,51.495 ; v1(53.095,49.63) U3.6@53.095,51.455 ; v1(54.015,47.31) 54.017,47.307 54.017,44.438 U3.3 ; v1(54.715,49.645) U3.6@54.715,51.47 ; v1(56.11,28.125) 56.11,26.525 C16.2 ; v1(56.275,49.615) U3.6@56.275,51.44 ; U3.5 57.42,47.27 v1(57.45,47.3) ; v1(57.885,49.615) U3.6@57.885,51.39 ; 24.12,21.97 25.135,21.97